# Altium PCB PA.PcbDoc (part 2 of 3)
Units mm, origin at the board's own origin, x right, y up, seen from the top; angles counter-clockwise.
Board outline 226 x 90 mm, 2 copper layers (Top Layer, Bottom Layer), stack 1.571 mm thick; 288 components, 121 nets, 837 pads, 1182 vias.
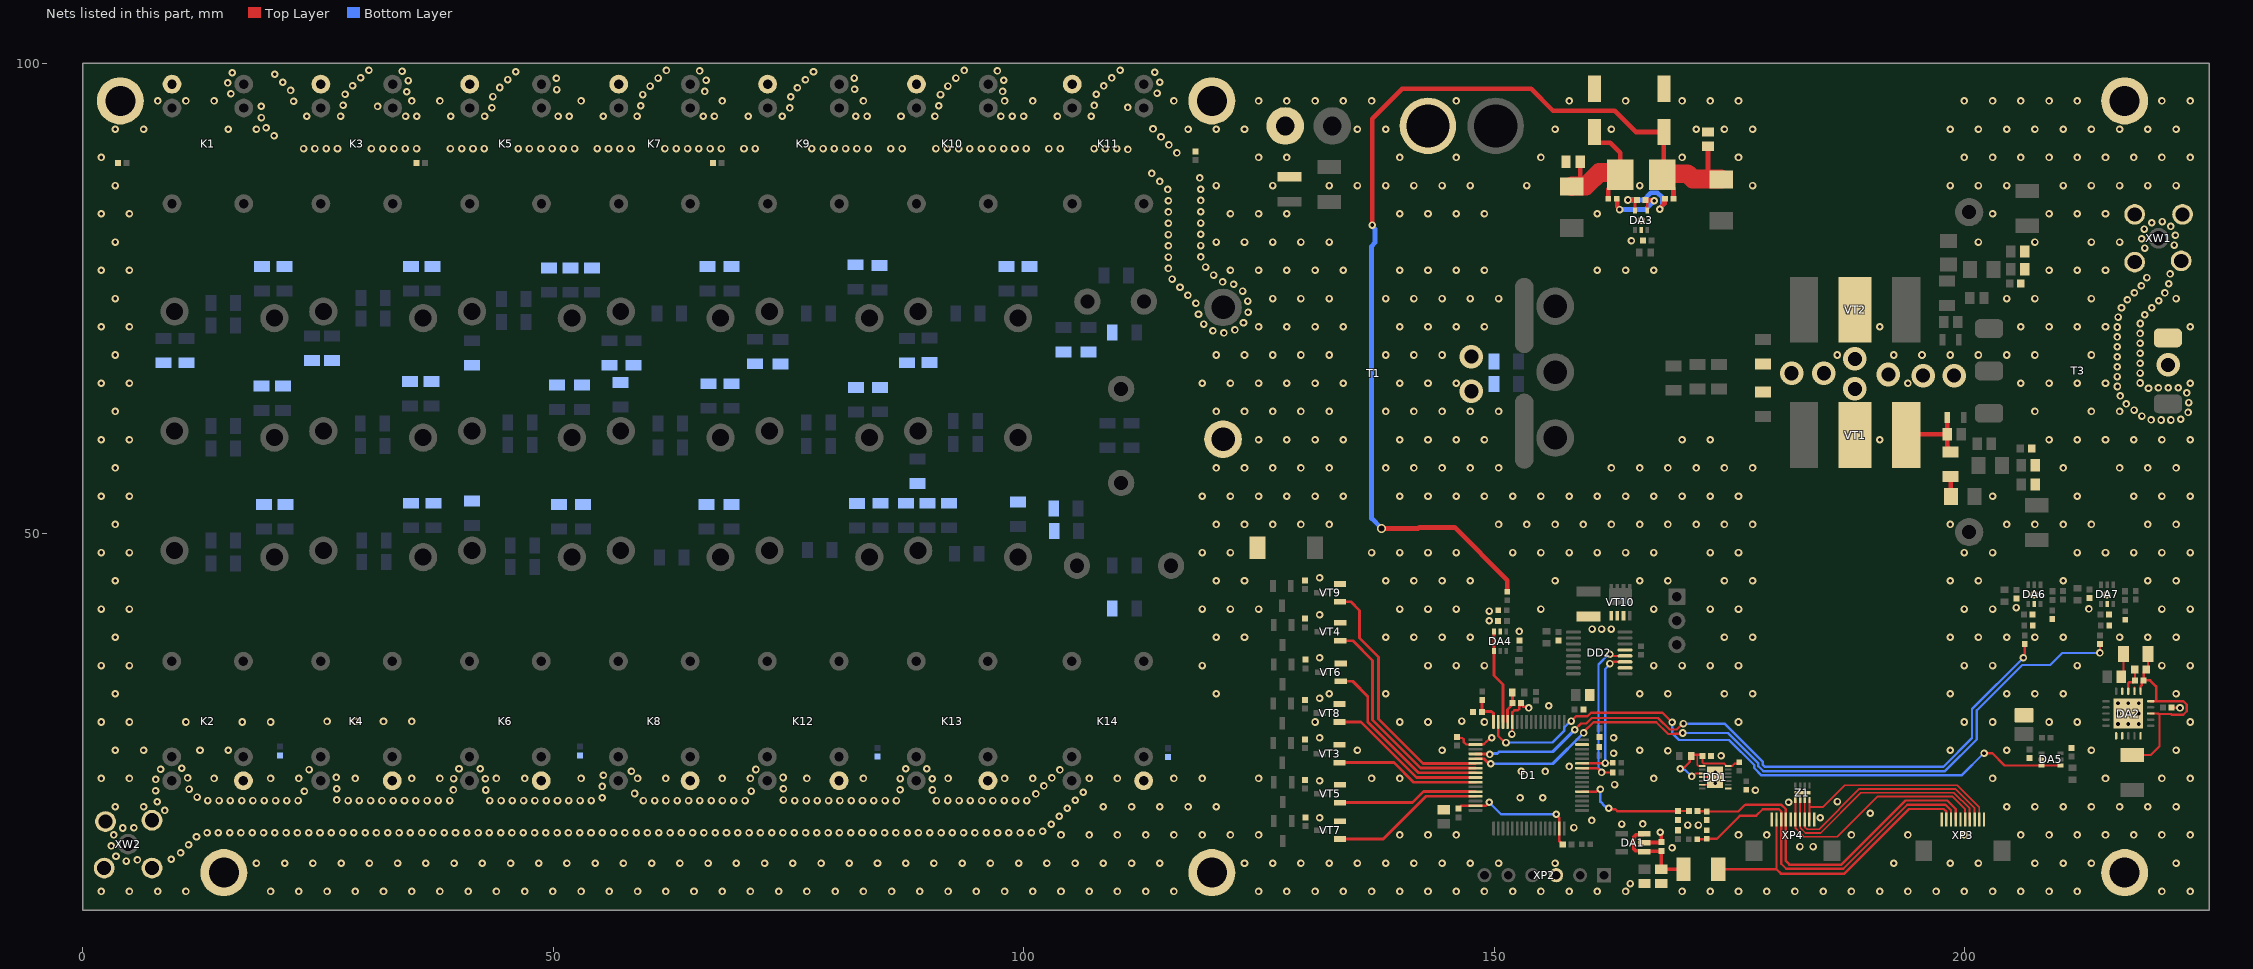
[diagram p2: the nets of this part, all layers, seen from the top]

## Part data
C1 C2 C3 C20: library part "Кер.ЧИП конд. 0805 22мкФ X5R 10% 16В", "Кер. ЧИП-конденсатор", Manufacturer=TDK, ManufacturerPartNumber=C2012X5R1C226KT, Power/Voltage=16В, Tolerance=±10%, TKE=X5R
C4 C12 C156: library part "Кер.ЧИП конд. 0402 1мкФ X5R 10%, 10В", "Кер. ЧИП-конденсатор", Power/Voltage=10В, Tolerance=±10%, PackageReference=0402, TKE=X5R
C6: library part "Конденсатор танталовый SMD D case 22мкФ ±20% 35B", "Тант. ЧИП-конденсатор", Power/Voltage=35В, Tolerance=±20%, LatestRevisionDate=29-May-2009, LatestRevisionNote="IPC-7351 Footprint Added.", PackageDescription="Chip Capacitor", PackageReference="тип D", Published=8-Jun-2000, Publisher="Altium Limited"
C7 C166: library part "Кер.ЧИП конд. 1210 10мкФ X5R 20% 50В", "Кер. ЧИП-конденсатор", Manufacturer=Murata, ManufacturerPartNumber=GRM32ER71H106, Power/Voltage=50В, Tolerance=±20%, TKE=X5R
C8 C13 C25 C148 C149 C150 C151 C152 C153 C154 C157 C158 C159 C160 C161 C162 C163 C164: library part "Кер.ЧИП конд. 0402 0.01мкФ X7R 10%, 50В", "Кер. ЧИП-конденсатор", Power/Voltage=50В, Tolerance=±20%, TKE=X7R
C9: library part "Кер.ЧИП конд. 1206 100мкФ X5R 20% 6.3В", "Кер. ЧИП-конденсатор", Manufacturer=Murata, ManufacturerPartNumber=GRM31CR60J107ME39L, Power/Voltage=6.3В, Tolerance=±20%, TKE=X5R
C10: library part "Кер.ЧИП конд. 0603 10мкФ X5R 20% 6.3В", "Кер. ЧИП-конденсатор", Manufacturer=Murata, ManufacturerPartNumber=GRM188R61A106KE69D, Power/Voltage=6.3В, Tolerance=±20%, TKE=X5R
C11 C14 C15 C16 C17 C18 C19 C26 C28 C46 C48 C141 C144 C165: library part "Кер.ЧИП конд. 0402 0.1мкФ X7R 10%, 16В", "Кер. ЧИП-конденсатор", Power/Voltage=16В, Tolerance=±10%, PackageReference=0402, TKE=X7R
C21 C22: library part "Конденсатор гибридный SMD 33мкФ ±20% 50В", "Гибридный ЧИП-конденсатор", Manufacturer=Panasonic, ManufacturerPartNumber=EEHZC1H330XP, Power/Voltage=50В, Tolerance=±20%, LatestRevisionDate=29-May-2009, LatestRevisionNote="IPC-7351 Footprint Added.", PackageDescription="ZC Series - Anti-Vibration", PackageReference="ZC Series", Published=8-Jun-2000, Publisher="Altium Limited"
C23 C24 C29 C34 C38 C39: library part "Кер.ЧИП конд. 0805 1000пФ X7R 10% 100В", "Кер. ЧИП-конденсатор", Manufacturer=WALSIN, ManufacturerPartNumber=0805B102K100, Power/Voltage=100В, Tolerance=±10%, TKE=X7R
C27 C41 C45 C51 C63 C69 C73: library part "Кер.ЧИП конд. 1206 1000пФ X7К 10% 2000В", "Кер. ЧИП-конденсатор", Manufacturer=Johanson, ManufacturerPartNumber=202R18W102KV4E, Power/Voltage=2000В, Tolerance=±10%, TKE=X7R
C30 C35 C56 C57 C59 C61 C62 C64 C71 C80 C86 C90 C92 C96 C101 C117 C129: library part "Кер.ЧИП конд. 1206 220пФ NP0 5% 2000В", "Кер. ЧИП-конденсатор", Manufacturer=Johanson, ManufacturerPartNumber=202R18W102KV4E, Power/Voltage=2000В, Tolerance=±10%, TKE=X7R
C31 C32 C33: library part "Кер.ЧИП конд. 1206 150пФ NP0 5% 2000В", "Кер. ЧИП-конденсатор", Manufacturer=Johanson, ManufacturerPartNumber=202R18W102KV4E, Power/Voltage=2000В, Tolerance=±10%, TKE=X7R
C36 C37 C40 C44: library part "Кер.ЧИП конд. 0805 0,01 мкФ X7R 10% 250В", "Кер. ЧИП-конденсатор", Manufacturer=Murate, ManufacturerPartNumber=GRM21BR72E103KW03, Power/Voltage=250В, Tolerance=±10%, TKE=X7R
C42: library part "Кер.ЧИП конд. 1206 2,2мкФ X7R 10% 100В", "Кер. ЧИП-конденсатор", Manufacturer=Murata, ManufacturerPartNumber=GRM31CR72A225KA73L, Power/Voltage=100В, Tolerance=±10%, TKE=X7R
C43 C142: library part "Кер.ЧИП конд. 0603 0.1мкФ X7R 10% 50В", "Кер. ЧИП-конденсатор", Manufacturer=Murata, ManufacturerPartNumber=GRM188R71H104KA93D, Power/Voltage=50В, Tolerance=±10%, TKE=X7R
C47: library part "Кер.ЧИП конд. 0402 100пФ NPO 5%, 50В", "Кер. ЧИП-конденсатор", Power/Voltage=50В, Tolerance=±5%, PackageReference=0402, TKE=NPO
C49 C143 C145 C146 C147: library part "Кер.ЧИП конд. 0402 1000пФ NP0 5%, 50В", "Кер. ЧИП-конденсатор", Power/Voltage=50В, Tolerance=±5%, PackageReference=0402, TKE=NPO
C50 C52 C58 C65 C66 C70 C74 C77 C78 C81 C85: library part "Кер.ЧИП конд. 1206 470пФ NP0 10% 2000В", "Кер. ЧИП-конденсатор", Manufacturer=WALSIN, ManufacturerPartNumber=1206B471K202, Power/Voltage=2000В, Tolerance=±10%, TKE=NP0
C53 C60: library part "Кер.ЧИП конд. 1206 2200пФ X7К 10% 1000В", "Кер. ЧИП-конденсатор", Manufacturer=WALSIN, ManufacturerPartNumber=1206B222K102, Power/Voltage=1000В, Tolerance=±10%, TKE=X7R
C54 C75 C82 C89 C93 C94 C97 C99 C102 C103 C104 C105 C107 C108 C115 C116 C130 C137 C140: library part "Кер.ЧИП конд. 1206 100пФ NP0 5% 2000В", "Кер. ЧИП-конденсатор", Manufacturer=WALSIN, ManufacturerPartNumber=1206N101J202, Power/Voltage=2000В, Tolerance=±5%, TKE=NP0
C55 C68 C106 C109: library part "Кер.ЧИП конд. 1206 22пФ NP0 5% 2000В", "Кер. ЧИП-конденсатор", Manufacturer=WALSIN, ManufacturerPartNumber=1206N220J202, Power/Voltage=2000В, Tolerance=±5%, TKE=NP0
C67 C95 C98 C118 C120 C124 C127 C131 C133 C135 C136: library part "Кер.ЧИП конд. 1206 27пФ NP0 10% 2000В", "Кер. ЧИП-конденсатор", Manufacturer=WALSIN, ManufacturerPartNumber=1206N270J202, Power/Voltage=2000В, Tolerance=±10%, TKE=NP0
C72 C79 C88 C91 C111 C112 C114 C119 C125 C126: library part "Кер.ЧИП конд. 1206 10пФ NP0 5% 2000В", "Кер. ЧИП-конденсатор", Manufacturer=WALSIN, ManufacturerPartNumber=1206N100J202, Power/Voltage=2000В, Tolerance=±5%, TKE=NP0
C76 C83 C84 C87 C100 C110 C113 C121 C122 C123 C128 C132 C134 C138 C139: library part "Кер.ЧИП конд. 1206 47пФ NP0 5% 2000В", "Кер. ЧИП-конденсатор", Manufacturer=WALSIN, ManufacturerPartNumber=1206N470J202, Power/Voltage=2000В, Tolerance=±5%, TKE=NP0
C155: library part "Кер.ЧИП конд. 0805 47мкФ X5R 20% 10В", "Кер. ЧИП-конденсатор", Manufacturer=Murata, ManufacturerPartNumber=GRM21BR61A476ME15L, Power/Voltage=10В, Tolerance=±20%, TKE=X5R
D1: library part "Микросхема STM32F103RCT6", "Ultra-low-power 32-bit MCU ARM®-based Cortex®-M3, 128KB Flash, 16KB SRAM, 4KB EEPROM, LCD, USB, ADC, DAC", Manufacturer=STMicroelectronics, Code_JEDEC=MS-026, ComponentLink1Description="Manufacturer Link", ComponentLink3Description="Packaging Specification", Published=29-Jan-2009
DA1: library part "Микросхема LP5907MFX-3.3", "250-mA Ultra-Low-Noise, Low-IQ LDO", Manufacturer=TI, ComponentLink1Description=datasheet, ComponentLink1URL=http://www.ti.com/lit/ds/symlink/lp5907.pdf
DA2: library part "Микросхема TPS7A4700RGW", "36-V, 1-A, 4-µVRMS, RF LDO Voltage Regulator", Manufacturer=TI, ComponentLink1Description=datasheet, ComponentLink1URL=http://www.ti.com/lit/ds/symlink/tps7a47.pdf
DA3: library part "Микросхема INA280A3IDCKR", "2.7-V to 120-V, 1.1-MHz, High Precision Current Sense Amplifier in Small / (SC-70) Package", Manufacturer=TI, ComponentLink1Description=datasheet, ComponentLink1URL=https://datasheets.maximintegrated.com/en/ds/MAX4230-MAX4234.pdf
DA4 DA5 DA6 DA7: library part "Микросхема MAX4231AXT-T", "High-Output-Drive, 10MHz, 10V/μs,  Rail-to-Rail I/O Op Amps with Shutdown in SC70", Manufacturer=MAXIM, ComponentLink1Description=datasheet, ComponentLink1URL=https://datasheets.maximintegrated.com/en/ds/MAX4230-MAX4234.pdf
DD1: library part "Микросхема MAX13433EETD+", "RS-422 Transceivers with Low-Voltage Logic Interface 16M", Manufacturer=Maxim, ComponentLink1Description=datasheet, ComponentLink1URL=https://datasheets.maximintegrated.com/en/ds/MAX13430E-MAX13433E.pdf
DD2: library part "Микросхема MAX6650EUB", "Fan-Speed Regulators and Monitors with SMBus/I2C-Compatible Interface", Manufacturer=Maxim, ComponentLink1Description=datasheet, ComponentLink1URL=https://www.analog.com/media/en/technical-documentation/data-sheets/MAX6650-MAX6651.pdf
F1: library part "Терморезистор NTCALUG01", "ЧИП-резистор"
K1 K2 K3 K4 K5 K6 K7 K8 K9 K10 K11 K12 K13 K14: library part "Реле HJR4102-L-12VDC-S-Z", "Реле 1пер. 12VDC, 1A/240VAC", ComponentLink1Description=datasheet, ComponentLink1URL=https://www.ti.com/lit/ds/symlink/tlvh431a.pdf?ts=1606914625003&ref_url=https%253A%252F%252Fwww.google.com%252F
L1 L2 L8 L34 L35: library part "ЧИП индуктивность CSAB0420-2R2M", "Molding Power Choke", Manufacturer=Vishay, ManufacturerPartNumber=IHLP1616ABER1R0M11
L3 L4 L7 L9 L10 L32 L33 L36: library part "ЧИП дроссель 0603 BLM18PG121SN1D", "SMD EMI Suppression Filter EMIFIL", Manufacturer=Murata, ManufacturerPartNumber=BLM18PG121SN1D
L5 L6: library part "ЧИП индуктивность CDCSAB0530-R22M", "0.22мкГн, 19А, 5.2х5.0х3мм, Катушка индуктивности SMD", Manufacturer=Vishay, ManufacturerPartNumber=CDCSAB0530-R22M
L11: library part "Индуктивность T68-2 4.79 мкГн", "29 витков"
L12 L13: library part "Индуктивность T68-2 3.85 мкГн", "26 витков"
L14: library part "Индуктивность T68-2 2.51 мкГн", "21 виток"
L15 L16: library part "Индуктивность T68-2 2.28 мкГн"
L17: library part "Индуктивность T68-2 1.48 мкГн", "16 витков"
L18 L19: library part "Индуктивность T68-2 1.28 мкГн", "16 витков"
L20: library part "Индуктивность T68-6 676 нГн", "12 витков"
L21 L22 L24 L27: library part "Индуктивность T68-6 470 нГн", "10 витков"
L23: library part "Индуктивность 177 нГн", "4 витка, диаметр 11мм, длина 6мм"
L25 L30: library part "Индуктивность T68-6 381 нГн", "9 витков"
L26 L29: library part "Индуктивность 130 нГн", "4 витка, диаметр 11мм, длина 10мм"
L28 L31: library part "Индуктивность T68-6 300 нГн", "8 витков"
R4 R8 R10 R14 R18 R24 R32: library part "Чип резистор 0402 100 Ом, 5%", "ЧИП-резистор", Tolerance=±5%, PackageReference=0402, TKE="100 ppm/°С"
R5 R11 R13 R25 R28 R29 R30 R31 R33 R34 R35 R36: library part "Чип резистор 0402 10 кОм, 5%", "ЧИП-резистор", Tolerance=±5%, PackageReference=0402, TKE="100 ppm/°С"
R6 R7: library part "Чип резистор 0402 4,7 кОм, 5%", "ЧИП-резистор", Tolerance=±5%, PackageReference=0402, TKE="100 ppm/°С"
R9 R12: library part "Чип резистор 0402 180 кОм, 5%", "ЧИП-резистор", Tolerance=±5%, PackageReference=0402, TKE="100 ppm/°С"
R15: library part "Чип резистор 2512 0.003Ом, 5%", "ЧИП-резистор PA2512FKF070R003E", Tolerance=±5%
R16 R17: library part "Чип резистор 0402 10 Ом, 5%", "ЧИП-резистор", Tolerance=±5%, PackageReference=0402, TKE="100 ppm/°С"
R19 R22 R23 R26: library part "Чип резистор 1206 33 Ом, 5%", "ЧИП-резистор", Manufacturer=ROHM, Tolerance=±5%, PackageReference=1206, TKE="300 ppm/°С"
R20 R21: library part "Чип резистор 0805 18 Ом, 5%", "ЧИП-резистор", Tolerance=±5%, PackageReference=0805, TKE="100 ppm/°С"
R27: library part "Чип резистор 0402 91 кОм, 5%", "ЧИП-резистор", Tolerance=±5%, PackageReference=0402, TKE="100 ppm/°С"
T1: library part "Трансформатор PA_OUT"
T2: library part "Трансформатор PA_OUT_VOLT"
T3: library part Transformer_KV_PA, "Трансформатор на бинокле BN-43-302 (2843000302)mu850 / Первичная обмотка - 2 витка проводом МГТФ 0,12 / Вторичная обмотка - 2 витка проводом МГТФ 0,12", Manufacturer=НЕЛС, Manufacturer Part Number="Трансформатор PUM_IN АНЕЛ.671143.002", Package="BN-43-302 (2843000302) 13.3x10.3 mm", SubType="Трансформатор бинокле", TYPE=Трансформатор
VD1 VD2 VD3 VD4 VD5 VD6 VD7: library part "ЧИП диод BAS16", "High-speed switching diodes", Manufacturer=Nexperia, Power/Voltage=100В, ComponentLink1Description=datasheet, ComponentLink1URL=https://assets.nexperia.com/documents/data-sheet/BAS16_SER.pdf, ManufacturerPartNumber=BAS16
VT1: library part "Транзистор MRF300AN", "RF Power LDMOS Transistors", ComponentLink1Description=datasheet, ComponentLink1URL=https://www.nxp.com/docs/en/data-sheet/MRF300AN.pdf
VT2: library part "Транзистор MRF300BN", "RF Power LDMOS Transistors", ComponentLink1Description=datasheet, ComponentLink1URL=https://www.nxp.com/docs/en/data-sheet/MRF300AN.pdf
VT3 VT4 VT5 VT6 VT7 VT8 VT9: library part "ЧИП транзистор PDTC114ET", "NPN resistor-equipped transistors;  R1 = 10 k, R2 = 10", ComponentLink1Description=datasheet, ComponentLink1URL=https://assets.nexperia.com/documents/data-sheet/PDTC114E_SER.pdf
VT10: library part "ЧИП транзистор SiSS10DN", "N-Channel 40 V (D-S) MOSFET", ComponentLink1Description=datasheet, ComponentLink1URL=https://www.vishay.com/docs/65439/siss10dn.pdf
XP1: library part "Соединитель XT60-F", "AMASS XT60-F"
XP2: library part "Соединитель PLS-6", "Вилка штыревая 2.54мм 1x6 прямая тип1", LatestRevisionDate=17-Jul-2002, LatestRevisionNote="Re-released for DXP Platform.", Publisher="Altium Limited"
XP3 XP4: library part "Соединитель FH12-10S-0.5SVA", "0.5mm  Pitch FPC/FFC Connector FH12 Series", Manufacturer=Hirose
XP5: library part "Соединитель XT30UPB-M", "AMASS XT30UPB-M  5 mm"
XP6: library part "Соединитель 22232031", "Molex 2,54 мм pitch-3", Manufacturer=Connfly
XW1 XW2: library part "Соединитель коаксиальный SMA-JR", "SMA-JR Разъем SMA гнездо на плату, прямой угол", ComponentLink1Description=datasheet, ComponentLink1URL=http://www.brownbear.ru/goods/2243.html
Z1: library part "Фильтр EMI EClamp2394P", "ESD/EMI Protection  for Color LCD Interfaces", Manufacturer=SEMTECH, PackageReference=SLP2116P8

## Free pads (board coordinates)
  round 5 hole 3.2: 1(4,96) 1(15,14) 1(120,14) 1(120,96) 1(217,14) 1(217,96)

## Via types
v1: diameter 0.8, hole 0.4, Top Layer to Bottom Layer, tented both sides, 1143 vias
v2: diameter 1, hole 0.6, Top Layer to Bottom Layer, tented both sides, 12 vias
v3: diameter 0.8, hole 0.4, Top Layer to Bottom Layer, 11 vias
v4: diameter 2.5, hole 1.5, Top Layer to Bottom Layer, tented both sides, 10 vias
v5: diameter 2.5, hole 1.5, Top Layer to Bottom Layer, 6 vias

## Nets (pads, with @x,y where several pads share a name; then routed paths per layer and width w, separated by ;. In a path a pad name is that pad's centre, name@x,y a point inside that pad or via, vN(x,y) a via of type N, cw(c..) or ccw(c..) an arc to the next point about the centre after c; other vN are vias at no path point)
ADC_CURRENT: C26.2 D1.16 R18.1 | length 3.5
  Top Layer w0.3: R18.1@148.731,32.341 148.707,32.317 148.707,31.106 C26.2@148.683,31.082 148.716,31.115 149.733,31.115 149.924,30.924 149.924,30.031 D1.16@149.934,30.021
ADC_TEMP: D1.15 DA5.3 DA5.4 | length 68.2
  Top Layer w0.25: D1.15@150.434,30.021 150.434,28.509 151.13,27.813 v1(151.257,27.813) ; v1(158.184,30.099) 158.692,30.607 159.904,30.607 160.285,30.988 167.894,30.988 v1(168.91,29.972) ; v1(202.057,26.67) 202.946,26.67 204.246,25.37 DA5.3@208.149,25.37 DA5.4@210.199,25.37
  Bottom Layer w0.25: v1(151.257,27.813) 156.189,27.813 157.465,29.09 157.465,29.443 158.121,30.099 v1(158.184,30.099) ; v1(168.91,29.972) 168.91,28.829 169.657,28.082 174.966,28.082 177.632,25.416 177.632,25.105 178.408,24.329 199.679,24.329 202.02,26.67 v1(202.057,26.67)
ADC_VOLT: D1.14 DA4.3 DA4.4 | length 10
  Top Layer w0.3: DA4.4@149.986,37.55 DA4.3@149.986,39.6 ; DA4.4@149.986,37.55 149.986,34.934 150.934,33.986 D1.14@150.934,30.021
BAND0_EN: D1.29 VT7.1 | length 16.3
  Top Layer w0.3: VT7.1@133.618,17.559 138.209,17.559 142.751,22.101 D1.29@148.014,22.101
BAND1_EN: D1.28 VT5.1 | length 14.9
  Top Layer w0.3: VT5.1@133.618,21.43 141.318,21.43 142.489,22.601 D1.28@148.014,22.601
BAND2_EN: D1.26 VT3.1 | length 15.3
  Top Layer w0.3: VT3.1@133.559,25.687 139.341,25.687 141.427,23.601 D1.26@148.014,23.601
BAND3_EN: D1.25 VT8.1 | length 16.9
  Top Layer w0.3: VT8.1@133.559,30.005 135.84,30.005 141.744,24.101 D1.25@148.014,24.101
BAND4_EN: D1.24 VT6.1 | length 20
  Top Layer w0.3: VT6.1@133.686,34.323 134.968,34.323 136.564,32.727 136.564,29.988 141.951,24.601 D1.24@148.014,24.601
BAND5_EN: D1.23 VT4.1 | length 23.7
  Top Layer w0.3: VT4.1@133.652,38.641 134.968,38.641 137.064,36.545 137.064,30.195 142.158,25.101 D1.23@148.014,25.101
BAND6_EN: D1.22 VT9.1 | length 27.1
  Top Layer w0.3: VT9.1@133.618,42.771 134.775,42.771 135.688,41.858 135.688,38.937 137.717,36.908 137.717,30.304 142.42,25.601 D1.22@148.014,25.601
CON_RS422A: XP3.9 XP4.9 Z1.4 | length 23.3
  Top Layer w0.2: XP4.9@183.501,19.652 183.508,19.659 183.508,20.955 ; Z1.4@183.515,21.711 183.508,21.704 183.508,20.955 ; XP3.9@201.555,19.652 201.555,20.916 199.188,23.283 187.235,23.283 184.906,20.955 183.508,20.955
CON_RS422B: XP3.8 XP4.8 Z1.3 | length 24.8
  Top Layer w0.2: Z1.3@183.015,21.711 183.008,21.704 183.008,19.659 XP4.8@183.001,19.652 183.026,19.627 183.026,18.828 183.252,18.602 184.533,18.602 188.815,22.883 199.022,22.883 201.055,20.851 XP3.8@201.055,19.652
CON_RS422Y: XP3.6 XP4.6 Z1.1 | length 24.8
  Top Layer w0.2: Z1.1@182.015,21.711 182.008,21.704 182.008,19.659 XP4.6@182.001,19.652 182.026,19.627 182.026,18.696 182.92,17.802 186.484,17.802 190.765,22.083 198.691,22.083 200.055,20.719 XP3.6@200.055,19.652
CON_RS422Z: XP3.7 XP4.7 Z1.2 | length 24.8
  Top Layer w0.2: Z1.2@182.515,21.711 182.508,21.704 182.508,19.659 XP4.7@182.501,19.652 182.526,19.627 182.526,18.762 183.086,18.202 184.699,18.202 188.98,22.483 198.857,22.483 200.53,20.81 200.53,19.677 XP3.7@200.555,19.652
CON_TX_FAIL: R4.1 R5.1 XP3.3 XP4.3 | length 38.2
  Top Layer w0.25: R4.1@171.577,17.526 171.606,17.555 172.564,17.555 R5.1@172.593,17.584 173.667,17.584 176.116,20.033 177.841,20.033 178.535,20.727 180.261,20.727 180.501,20.487 XP4.3@180.501,19.652 180.501,14.941 181.045,14.397 187.092,14.397 193.903,21.208 197.97,21.208 198.555,20.623 XP3.3@198.555,19.652
CON_TXON: R10.1 R11.1 XP3.4 XP4.4 | length 37.9
  Top Layer w0.25: R10.1@171.602,20.541 171.631,20.512 172.578,20.512 R11.1@172.607,20.483 175.931,20.483 176.631,21.183 176.735,21.183 176.747,21.194 180.537,21.194 181.001,20.73 XP4.4@181.001,19.652 181.001,15.221 181.375,14.847 186.906,14.847 193.717,21.658 198.156,21.658 199.055,20.759 XP3.4@199.055,19.652
DAC_BIAS1: D1.20 R24.1 | length 70.8
  Top Layer w0.25: v1(158.563,29.174) 159.234,29.845 159.779,29.845 160.364,30.43 167.415,30.43 168.65,29.195 169.394,29.195 170.026,29.827 v1(170.112,29.827) ; v1(206.248,36.83) 206.389,36.971 R24.1@206.389,38.285
  Top Layer w0.3: D1.20@148.014,26.601 149.483,26.601 v1(149.531,26.553)
  Bottom Layer w0.25: v1(170.112,29.827) 174.494,29.827 178.532,25.789 178.532,25.478 178.781,25.229 197.721,25.229 200.787,28.295 200.787,31.37 206.247,36.83 v1(206.248,36.83)
  Bottom Layer w0.3: v1(149.531,26.553) 149.627,26.649 150.347,26.649 150.531,26.833 156.222,26.833 v1(158.563,29.174)
DAC_BIAS2: D1.21 R32.1 | length 78.9
  Top Layer w0.25: v1(159.506,28.841) 159.506,28.936 160.55,29.98 167.229,29.98 168.493,28.716 169.142,28.716 169.171,28.745 169.969,28.745 v1(170.053,28.829) ; v1(214.376,37.338) 214.383,37.345 214.383,38.278 R32.1@214.39,38.285
  Top Layer w0.3: D1.21@148.014,26.101 148.599,26.101 148.609,26.091 148.932,26.091 149.368,25.655 149.547,25.655 v1(149.642,25.559)
  Bottom Layer w0.25: v1(170.053,28.829) 174.856,28.829 178.082,25.603 178.082,25.292 178.595,24.779 197.908,24.779 201.295,28.166 201.295,31.242 206.11,36.057 209.095,36.057 210.376,37.338 v1(214.376,37.338)
  Bottom Layer w0.3: v1(149.642,25.559) 156.224,25.559 v1(159.506,28.841)
GND: C1.1 C2.1 C3.1 C4.1 C6.1 C7.1 C8.1 C9.1 C10.1 C11.1 C12.1 C13.1 C14.1 C15.1 C16.1 C17.1 C18.1 C19.1 C20.1 C21.2 C22.2 C23.1 C24.1 C26.1 C28.1 C30.1 C35.1 C37.1 C38.1 C39.1 C40.1 C41.1 C42.1 C43.1 C46.2 C47.2 C48.2 C49.2 C50.2 C51.2 C52.2 C53.2 C56.2 C57.2 C59.2 C60.2 C63.2 C64.2 C65.2 C66.2 C69.2 C70.2 C73.2 C74.2 C77.2 C78.2 C80.2 C81.2 C85.2 C86.2 C89.2 C90.2 C92.2 C93.2 C94.2 C96.2 C97.2 C100.2 C101.2 C103.2 C104.2 C105.2 C106.2 C107.2 C108.2 C109.2 C110.2 C113.2 C115.2 C116.2 C117.2 C118.2 C121.2 C122.2 C123.2 C128.2 C129.2 C130.2 C132.2 C133.2 C134.2 C137.2 C138.2 C139.2 C140.2 C141.1 C142.1 C143.1 C144.1 C145.1 C148.1 C149.1 C150.1 C151.1 C152.1 C153.1 C154.1 C155.1 C156.1 C157.1 C158.1 C159.1 C160.1 C161.1 C162.1 C163.1 C164.1 C165.1 C166.1 D1.12 D1.18 D1.31 D1.47 D1.63 DA1.2 DA2.6 DA2.7 DA2.10 DA2.17 DA2.18 DA2.19 DA2.21 DA3.2 DA4.2 DA5.2 DA6.2 DA7.2 DD1.4 DD1.6 DD1.8 DD1.15 DD2.2 DD2.5 F1.2 K1.7 K2.7 K3.7 K4.7 K5.7 K6.7 K7.7 K8.7 K9.7 K10.7 K11.7 K12.7 K13.7 K14.7 pad.1 R5.2 R11.2 R12.1 R14.2 R25.2 R28.1 R30.1 R33.2 R34.1 T1.3 T3.4 VT1.2 VT2.2 VT3.2 VT4.2 VT5.2 VT6.2 VT7.2 VT8.2 VT9.2 VT10.S XP1.2 XP2.3 XP3.1 XP3.5 XP3.10 XP4.1 XP4.5 XP4.10 XP5.2 XW1.2 XW2.2 Z1.9 | length 36.6
  Top Layer w0.2: DD1.6@172.094,23.334 DD1.15@173.324,23.334 ; DD1.4@172.094,24.134 DD1.15@173.489,24.134
  Top Layer w0.25: C16.1@146.191,20.795 146.497,21.101 D1.31@148.014,21.101 149.117,21.101 v1(149.479,21.463) ; C17.1@146.191,28.494 146.386,28.299 146.615,28.299 146.761,28.153 146.761,27.864 147.024,27.601 D1.18@148.014,27.601 148.029,27.616 148.869,27.616 149.161,27.908 149.171,27.908 149.584,28.321 v1(149.733,28.321) ; v1(151.892,28.717) 151.919,28.744 151.919,30.006 D1.12@151.934,30.021 151.934,31.03 152.146,31.242 152.533,31.242 152.679,31.388 152.679,31.649 152.874,31.844 153.117,31.601 153.579,31.601 v1(153.684,31.496) ; v1(156.591,20.193) 156.591,20.135 156.934,19.792 156.934,17.339 C15.1@157.288,16.985 ; DD1.15@173.324,23.334 v3(173.489,23.499) ; C155.1@216.744,34.704 C155.1@216.65,34.798 216.886,35.034 C9.1@216.886,37.211 ; DA2.18@217.394,33.274 217.394,34.133 217.483,34.222 217.912,34.222 C11.1@218.107,34.417 218.107,35.547 C10.1@218.094,35.56 ; DA2.17@218.044,33.274 DA2.17@218.044,33.659 ; C156.1@221.821,31.496 221.827,31.502 222.879,31.502 v1(222.885,31.496)
  Top Layer w0.4: DA1.2@165.952,17.159 165.984,17.191 167.735,17.191 C4.1@167.767,17.224 167.767,18.161 v1(167.64,18.288)
  Bottom Layer w0.25: v1(149.479,21.463) 149.479,21.437 150.723,20.193 v1(156.591,20.193)
  other v1: 1.967,12 4.967,12 7.967,12 10.967,12 19.967,12 22.967,12 25.967,12 28.967,12 31.967,12 34.967,12 37.967,12 40.967,12 43.967,12 46.967,12 49.967,12 52.967,12 55.967,12 58.967,12 61.967,12 64.967,12 67.967,12 70.967,12 73.967,12 76.967,12 79.967,12 82.967,12 85.967,12 88.967,12 91.967,12 94.967,12 97.967,12 100.967,12 103.967,12 106.967,12 109.967,12 112.967,12 115.967,12 124.967,12 127.967,12 130.967,12 133.967,12 136.967,12 139.967,12 142.967,12 145.967,12 148.967,12 151.967,12 154.967,12 157.967,12 160.967,12 163.967,12 169.967,12 172.967,12 175.967,12 178.967,12 181.967,12 184.967,12 187.967,12 190.967,12 193.967,12 196.967,12 199.967,12 202.967,12 205.967,12 208.967,12 211.967,12 220.967,12 223.967,12 164.465,12.827 18.467,15 21.467,15 24.467,15 27.467,15 30.467,15 33.467,15 36.467,15 39.467,15 42.467,15 45.467,15 48.467,15 51.467,15 54.467,15 57.467,15 60.467,15 63.467,15 66.467,15 69.467,15 72.467,15 75.467,15 78.467,15 81.467,15 84.467,15 87.467,15 90.467,15 93.467,15 96.467,15 99.467,15 102.467,15 105.467,15 108.467,15 111.467,15 114.467,15 123.467,15 126.467,15 129.467,15 132.467,15 135.467,15 138.467,15 141.467,15 144.467,15 147.467,15 150.467,15 156.467,15 192.467,15 198.467,15 201.467,15 207.467,15 210.467,15 213.467,15 222.467,15 4.623,15.223 5.818,15.339 9.415,15.416 3.542,15.743 10.399,16.103 168.91,16.637 182.499,16.764 183.896,16.764 3.029,16.828 11.248,16.951 12.097,17.8 3.302,17.997 103.967,18 106.967,18 109.967,18 112.967,18 115.967,18 118.967,18 121.967,18 124.967,18 139.967,18 142.967,18 145.967,18 175.967,18 178.967,18 187.967,18 193.967,18 199.967,18 205.967,18 208.967,18 211.967,18 214.967,18 217.967,18 220.967,18 223.967,18 13.219,18.224 14.419,18.224 15.619,18.224 16.819,18.224 18.019,18.224 19.219,18.224 20.419,18.224 21.619,18.224 22.819,18.224 24.019,18.224 25.219,18.224 26.419,18.224 27.619,18.224 28.819,18.224 30.019,18.224 31.219,18.224 32.419,18.224 33.619,18.224 34.819,18.224 36.019,18.224 37.219,18.224 38.419,18.224 39.619,18.224 40.819,18.224 42.019,18.224 43.219,18.224 44.419,18.224 45.619,18.224 46.819,18.224 48.019,18.224 49.219,18.224 50.419,18.224 51.619,18.224 52.819,18.224 54.019,18.224 55.219,18.224 56.419,18.224 57.619,18.224 58.819,18.224 60.019,18.224 61.219,18.224 62.419,18.224 63.619,18.224 64.819,18.224 66.019,18.224 67.219,18.224 68.419,18.224 69.619,18.224 70.819,18.224 72.019,18.224 73.219,18.224 74.419,18.224 75.619,18.224 76.819,18.224 78.019,18.224 79.219,18.224 80.419,18.224 81.619,18.224 82.819,18.224 84.019,18.224 85.219,18.224 86.419,18.224 87.619,18.224 88.819,18.224 90.019,18.224 91.219,18.224 92.419,18.224 93.619,18.224 94.819,18.224 96.019,18.224 97.219,18.224 98.419,18.224 99.619,18.224 100.819,18.224 102.009,18.38 4.249,18.734 5.448,18.769 158.474,18.774 170.561,19.05 171.704,19.05 102.939,19.138 163.554,19.155 165.791,19.17 160.379,19.536 131.445,19.812 184.658,19.812 103.787,19.987 189.97,20.298 8.72,20.605 104.636,20.835 3.467,21 6.467,21 108.467,21 111.467,21 114.467,21 117.467,21 120.467,21 204.467,21 207.467,21 210.467,21 213.467,21 216.467,21 219.467,21 222.467,21 181.29,21.466 7.936,21.514 186.484,21.542 13.294,21.654 14.494,21.654 15.694,21.654 16.894,21.654 18.094,21.654 19.294,21.654 20.494,21.654 21.694,21.654 22.894,21.654 28.199,21.654 29.399,21.654 30.599,21.654 31.799,21.654 32.999,21.654 34.199,21.654 35.399,21.654 36.599,21.654 37.799,21.654 38.999,21.654 43.259,21.654 44.459,21.654 45.659,21.654 46.859,21.654 48.059,21.654 49.259,21.654 50.459,21.654 51.659,21.654 52.859,21.654 54.059,21.654 59.588,21.654 60.788,21.654 61.988,21.654 63.188,21.654 64.388,21.654 65.588,21.654 66.788,21.654 67.988,21.654 69.188,21.654 70.388,21.654 75.673,21.654 76.873,21.654 78.073,21.654 79.273,21.654 80.473,21.654 81.673,21.654 82.873,21.654 84.073,21.654 85.273,21.654 86.473,21.654 90.732,21.654 91.932,21.654 93.132,21.654 94.332,21.654 95.532,21.654 96.732,21.654 97.932,21.654 99.132,21.654 100.332,21.654 74.473,21.701 105.484,21.684 27.001,21.715 55.22,21.955 152.759,21.949 155.172,21.949 12.152,22.022 101.306,22.355 58.649,22.401 106.333,22.532 23.572,22.644 71.044,22.659 7.747,22.699 177.76,22.756 39.396,22.786 42.825,22.773 86.868,22.787 90.298,22.772 11.304,22.871 27.001,22.915 74.473,22.901 55.22,23.155 102.154,23.203 162.792,23.346 131.445,23.749 7.761,23.899 39.421,23.986 42.802,23.972 86.893,23.986 90.274,23.972 1.967,24 4.967,24 13.967,24 19.967,24 22.967,24 28.967,24 34.967,24 37.967,24 43.967,24 46.967,24 52.967,24 58.967,24 61.967,24 67.967,24 70.967,24 76.967,24 82.967,24 91.967,24 97.967,24 100.967,24 106.967,24 109.967,24 115.967,24 118.967,24 124.967,24 136.967,24 139.967,24 166.967,24 202.967,24 214.967,24 220.967,24 223.967,24 11.142,24.06 103.003,24.052 26.957,24.114 74.433,24.1 55.337,24.35 152.886,24.743 155.426,24.743 58.314,24.753 103.851,24.9 24.063,24.942 71.546,24.952 8.278,24.982 39.992,25.041 42.24,25.033 87.465,25.041 89.713,25.033 10.521,25.087 157.988,25.273 174.117,26.416 162.687,26.67 168.463,26.942 3.467,27 6.467,27 12.467,27 15.467,27 135.467,27 144.467,27 165.467,27 198.467,27 204.467,27 213.467,27 222.467,27 131.445,28.321 162.687,28.321 1.967,30 4.967,30 10.967,30 16.967,30 19.967,30 130.967,30 139.967,30 142.967,30 148.967,30 175.967,30 199.967,30 202.967,30 208.967,30 211.967,30 223.967,30 25.967,30.06 28.967,30.06 31.967,30.06 34.967,30.06 146.558,30.099 155.807,31.728 131.445,32.512 3.467,33 120.467,33 132.467,33 138.467,33 165.467,33 168.467,33 174.467,33 177.467,33 198.467,33 204.467,33 207.467,33 210.467,33 222.467,33 1.967,36 4.967,36 118.967,36 142.967,36 145.967,36 148.967,36 166.967,36 169.967,36 172.967,36 175.967,36 199.967,36 202.967,36 211.967,36 220.967,36 223.967,36 131.445,36.83 3.467,39 120.467,39 123.467,39 138.467,39 141.467,39 144.467,39 147.467,39 174.467,39 177.467,39 198.467,39 201.467,39 204.467,39 207.467,39 210.467,39 216.467,39 219.467,39 222.467,39 152.654,39.624 160.401,39.878 161.417,39.878 162.433,39.878 149.479,40.767 131.445,41.402 149.479,41.783 1.967,42 4.967,42 118.967,42 121.967,42 124.967,42 139.967,42 142.967,42 145.967,42 154.967,42 166.967,42 172.967,42 175.967,42 199.967,42 202.967,42 213.211,42.015 220.967,42 223.967,42 205.486,42.164 207.369,43.539 215.116,43.539 3.467,45 120.467,45 123.467,45 138.467,45 141.467,45 144.467,45 147.467,45 156.467,45 165.467,45 168.467,45 174.467,45 177.467,45 198.467,45 201.467,45 210.467,45 219.467,45 222.467,45 131.445,45.339 1.967,48 4.967,48 118.967,48 121.967,48 136.967,48 139.967,48 142.967,48 145.967,48 151.967,48 154.967,48 157.967,48 160.967,48 163.967,48 166.967,48 172.967,48 175.967,48 199.967,48 202.967,48 211.967,48 214.967,48 217.967,48 220.967,48 223.967,48 3.467,51 120.467,51 123.467,51 126.467,51 129.467,51 132.467,51 150.467,51 153.467,51 156.467,51 159.467,51 162.467,51 165.467,51 168.467,51 171.467,51 174.467,51 177.467,51 198.467,51 204.467,51 207.467,51 210.467,51 213.467,51 219.467,51 222.467,51 1.967,54 4.967,54 118.967,54 121.967,54 124.967,54 127.967,54 130.967,54 133.967,54 139.967,54 142.967,54 145.967,54 148.967,54 151.967,54 154.967,54 157.967,54 160.967,54 163.967,54 166.967,54 169.967,54 172.967,54 175.967,54 202.967,54 211.967,54 217.967,54 220.967,54 223.967,54 3.467,57 120.467,57 123.467,57 126.467,57 129.467,57 132.467,57 138.467,57 141.467,57 144.467,57 147.467,57 150.467,57 162.467,57 165.467,57 168.467,57 171.467,57 174.467,57 177.467,57 210.467,57 216.467,57 219.467,57 222.467,57 1.967,60 4.967,60 124.967,60 127.967,60 130.967,60 133.967,60 139.967,60 142.967,60 145.967,60 148.967,60 169.967,60 172.967,60 190.967,60 208.967,60 211.967,60 214.967,60 217.967,60 220.967,60 223.967,60 219.816,62.106 220.87,62.094 221.924,62.094 222.976,62.162 218.841,62.506 223.736,62.892 3.467,63 120.467,63 123.467,63 126.467,63 129.467,63 132.467,63 138.467,63 141.467,63 144.467,63 147.467,63 150.467,63 207.467,63 213.467,63 216.467,63 218.003,63.146 217.179,63.803 223.812,63.943 216.546,64.646 223.602,64.976 219.535,65.469 222.696,65.515 220.588,65.525 221.642,65.526 216.237,65.654 1.967,66 4.967,66 118.967,66 121.967,66 124.967,66 127.967,66 130.967,66 133.967,66 139.967,66 142.967,66 145.967,66 193.967,66 205.967,66 208.967,66 211.967,66 214.967,66 223.967,66 218.64,66.025 216.208,66.707 218.64,67.079 216.208,67.761 218.64,68.133 216.208,68.815 3.467,69 120.467,69 123.467,69 126.467,69 129.467,69 132.467,69 138.467,69 141.467,69 144.467,69 186.467,69 192.467,69 195.467,69 198.467,69 201.467,69 204.467,69 207.467,69 213.467,69 218.64,69.187 216.208,69.869 218.64,70.241 216.208,70.923 218.64,71.295 121.287,71.346 120.108,71.569 122.446,71.659 216.208,71.977 1.967,72 4.967,72 124.967,72 127.967,72 130.967,72 133.967,72 139.967,72 142.967,72 145.967,72 148.967,72 190.967,72 205.967,72 208.967,72 211.967,72 214.967,72 223.967,72 119.144,72.284 218.648,72.349 123.361,72.436 216.304,73.027 219.144,73.279 118.579,73.342 123.849,73.532 216.667,74.016 219.889,74.025 118.31,74.511 123.813,74.731 220.634,74.77 217.294,74.864 3.467,75 126.467,75 129.467,75 132.467,75 138.467,75 141.467,75 144.467,75 147.467,75 150.467,75 204.467,75 207.467,75 213.467,75 222.467,75 117.461,75.36 221.288,75.597 218.037,75.611 123.262,75.797 116.613,76.209 218.782,76.357 122.309,76.526 221.697,76.568 121.133,76.768 115.775,77.068 219.367,77.234 120.178,77.493 221.829,77.614 1.967,78 4.967,78 121.967,78 124.967,78 127.967,78 130.967,78 133.967,78 139.967,78 142.967,78 145.967,78 148.967,78 160.967,78 163.967,78 166.967,78 208.967,78 211.967,78 214.967,78 115.379,78.201 119.329,78.342 115.379,79.401 118.809,79.423 219.138,80.363 115.379,80.601 118.809,80.623 222.267,80.681 3.467,81 120.467,81 123.467,81 126.467,81 129.467,81 132.467,81 201.467,81 207.467,81 213.467,81 216.467,81 164.592,81.153 218.804,81.362 222.392,81.727 115.379,81.801 118.809,81.823 219.084,82.378 221.913,82.666 115.379,83.001 118.809,83.023 219.887,83.061 220.992,83.179 165.608,83.312 1.967,84 4.967,84 121.967,84 124.967,84 127.967,84 139.967,84 142.967,84 145.967,84 148.967,84 160.967,84 202.967,84 208.967,84 211.967,84 214.967,84 115.379,84.201 118.809,84.223 115.379,85.401 118.809,85.423 115.319,86.599 118.809,86.623 3.467,87 120.467,87 126.467,87 132.467,87 135.467,87 138.467,87 141.467,87 144.467,87 147.467,87 153.467,87 165.467,87 177.467,87 198.467,87 201.467,87 204.467,87 210.467,87 213.467,87 216.467,87 219.467,87 222.467,87 114.47,87.448 118.705,87.819 113.622,88.296 1.967,90 124.967,90 127.967,90 139.967,90 145.967,90 154.967,90 169.967,90 175.967,90 199.967,90 202.967,90 205.967,90 208.967,90 211.967,90 214.967,90 217.967,90 220.967,90 223.967,90 116.29,90.478 111.076,90.842 23.479,90.932 24.679,90.932 25.879,90.932 27.079,90.932 30.679,90.932 31.879,90.932 33.079,90.932 34.279,90.932 35.479,90.932 39.079,90.932 40.279,90.932 41.479,90.932 42.679,90.932 46.279,90.932 47.479,90.932 48.679,90.932 49.879,90.932 51.079,90.932 52.279,90.932 54.679,90.932 55.879,90.932 57.079,90.932 58.279,90.932 61.879,90.932 63.079,90.932 64.279,90.932 65.479,90.932 66.679,90.932 67.879,90.932 70.279,90.932 71.479,90.932 77.479,90.932 78.679,90.932 79.879,90.932 81.079,90.932 82.279,90.932 83.479,90.932 85.879,90.932 87.079,90.932 90.679,90.932 91.879,90.932 93.079,90.932 94.279,90.932 95.479,90.932 96.679,90.932 97.879,90.932 99.079,90.932 100.279,90.932 102.679,90.932 103.879,90.932 107.479,90.932 108.679,90.932 109.879,90.932 115.442,91.326 114.593,92.175 20.342,92.296 3.467,93 6.467,93 15.467,93 18.467,93 117.467,93 120.467,93 123.467,93 135.467,93 138.467,93 156.467,93 162.467,93 171.467,93 174.467,93 177.467,93 198.467,93 201.467,93 204.467,93 207.467,93 210.467,93 213.467,93 216.467,93 219.467,93 222.467,93 113.745,93.023 19.493,93.144 18.991,94.234 23.811,94.361 27.411,94.361 34.312,94.361 35.512,94.361 39.112,94.361 42.712,94.361 50.517,94.361 51.717,94.361 55.317,94.361 58.917,94.361 65.938,94.361 67.138,94.361 70.738,94.361 74.338,94.361 82.164,94.361 83.364,94.361 86.964,94.361 90.564,94.361 97.586,94.361 98.786,94.361 99.986,94.361 103.586,94.361 107.186,94.361 75.139,95.254 43.491,95.274 111.067,95.307 31.333,95.412 18.978,95.434 59.315,95.493 90.963,95.493 27.667,95.534 107.505,95.518 22.409,95.961 7.967,96 10.967,96 13.967,96 34.967,96 37.967,96 52.967,96 67.967,96 82.967,96 97.967,96 100.967,96 115.967,96 124.967,96 127.967,96 130.967,96 133.967,96 136.967,96 145.967,96 157.967,96 163.967,96 169.967,96 172.967,96 175.967,96 199.967,96 202.967,96 205.967,96 208.967,96 211.967,96 220.967,96 223.967,96 75.241,96.45 43.601,96.469 59.514,96.677 91.162,96.676 107.717,96.699 27.887,96.713 15.752,96.76 114.176,96.813 34.437,96.972 66.107,97.01 97.756,97.01 22.095,97.119 50.368,97.212 82.025,97.233 75.957,97.413 44.323,97.428 60.302,97.582 91.95,97.581 28.683,97.611 108.51,97.6 15.407,97.909 114.471,97.976 21.271,97.991 34.606,98.16 66.243,98.202 97.891,98.202 45.172,98.276 76.805,98.262 50.349,98.412 61.15,98.43 81.989,98.433 92.798,98.43 29.531,98.46 109.358,98.448 20.422,98.839 15.906,99 113.933,99.048 46.032,99.113 77.664,99.1 33.948,99.164 65.563,99.19 97.21,99.19 62.033,99.243 93.681,99.242 30.422,99.264 110.246,99.256
  other v3: 173.489,24.642 216.294,29.799 217.394,29.799 218.494,29.799 216.294,30.899 217.394,30.899 218.494,30.899 216.294,31.999 217.394,31.999 218.494,31.999
  other v4: 147.574,65.151 188.341,65.405 195.58,66.802 198.882,66.802 191.897,66.929 181.61,67.056 185.039,67.056 221.615,67.945 188.341,68.58 147.574,68.834
I2C_SCL: D1.58 DD2.4 R6.1 | length 18.4
  Top Layer w0.25: D1.58@159.354,25.101 160.954,25.101 v1(161.417,24.638) R6.1@162.618,24.638 ; v1(162.306,37.211) 162.455,37.211 162.645,37.02 DD2.4@163.913,37.02
  Bottom Layer w0.25: v1(161.417,24.638) 161.417,24.787 161.082,25.122 161.082,36.114 162.179,37.211 v1(162.306,37.211)
I2C_SDA: D1.59 DD2.3 R7.1 | length 15.8
  Top Layer w0.25: D1.59@159.354,25.601 159.369,25.616 161.783,25.616 v1(161.807,25.64) ; v1@161.807,25.654 161.814,25.647 162.611,25.647 R7.1@162.618,25.654 ; v1(162.306,36.211) 162.455,36.211 162.629,36.386 DD2.3@163.913,36.386
  Bottom Layer w0.25: v1(161.807,25.64) 161.798,25.649 161.798,35.623 162.306,36.131 v1(162.306,36.211)
IN_5V: L1.1 XP3.2 XP4.2 | length 33.5
  Top Layer w0.25: L1.1@173.808,14.351 180.001,14.351 ; XP4.2@180.001,19.652 180.001,14.351 ; XP3.2@198.055,19.652 198.055,20.487 197.783,20.758 194.09,20.758 187.217,13.885 180.467,13.885 180.001,14.351
NetC1_2: C1.2 C4.2 DA1.1 DA1.3 L1.2 | length 9.9
  Top Layer w0.4: DA1.3@165.952,18.109 165.852,18.009 165.08,18.009 164.846,17.775 164.846,16.49 165.027,16.309 165.852,16.309 DA1.1@165.952,16.209 166,16.257 167.72,16.257 C4.2@167.767,16.304 C1.2@167.767,14.339 170.096,14.339 L1.2@170.108,14.351
NetC9_2: C9.2 C10.2 C11.2 DA2.13 DA2.15 DA2.16 L35.2 | length 22.9
  Top Layer w0.25: L35.2@217.805,26.488 219.782,26.488 220.71,27.416 220.71,30.846 ; DA2.16@218.694,33.274 218.694,33.782 218.832,33.92 218.832,34.222 C11.2@219.027,34.417 ; C9.2@219.486,37.211 219.486,35.752 C10.2@219.294,35.56 219.027,35.293 C11.2@219.027,34.417 ; DA2.13@219.769,30.899 220.544,30.899 220.597,30.846 220.71,30.846 ; DA2.15@219.769,32.199 220.345,32.199 ; C11.2@219.027,34.417 219.71,34.417 220.345,33.782 220.345,32.199 ; 220.345,32.199 221.779,32.199 221.801,32.221 223.235,32.221 223.61,31.846 223.61,31.146 223.235,30.771 222.01,30.771 221.935,30.846 220.71,30.846
NetC12_2: C12.2 DD1.1 DD1.3 DD1.14 L3.2 R9.2 | length 12.6
  Top Layer w0.2: v1@171.076,24.209 171.401,24.534 DD1.3@171.869,24.534 ; 171.577,26.416 171.577,25.452 171.694,25.334 DD1.1@172.094,25.334 ; C12.2@172.14,26.376 172.14,25.702 172.257,25.584 174.458,25.584 174.634,25.409 174.634,25.334 175.314,25.334 175.556,25.576 175.877,25.576 R9.2@176.029,25.727
  Top Layer w0.25: v1(169.779,25.039) 169.884,25.144 170.178,25.144 170.786,25.752 170.786,26.088 170.811,26.113 L3.2@171.147,26.113 ; L3.2@170.951,26.383 171.097,26.529 172.001,26.529 C12.2@172.147,26.383 ; v1(171,24.209) v1@171.076,24.209 ; R9.2@175.8,25.552 175.854,25.552 R9.2@176.029,25.727
  Bottom Layer w0.25: v1(169.779,25.039) 169.884,24.934 170.276,24.934 v1(171,24.209)
NetC13_2: C13.2 D1.53 R10.2 | length 13.2
  Top Layer w0.25: D1.53@159.354,22.601 160.882,22.601 161.141,22.86 v1(161.29,22.86) ; v1(162.179,20.828) 162.284,20.723 162.882,20.723 163.079,20.526 C13.2@169.545,20.526 169.553,20.534 170.695,20.534 R10.2@170.702,20.541
  Bottom Layer w0.25: v1(161.29,22.86) 161.29,21.535 161.79,21.035 161.823,21.035 162.03,20.828 v1(162.179,20.828)
NetC14_2: C14.2 D1.13 L4.1 | length 3.3
  Top Layer w0.3: D1.13@151.434,30.021 151.434,31.324 151.954,31.844 151.933,31.865 151.933,33.093 L4.1@151.911,33.114
NetC21_1: C21.1 C23.2 L5.2 R15.1 R16.1 | length 18.1
  Top Layer w0.5: C23.2@159.133,89.535 159.133,87.556 159.73,86.959 ; C21.1@160.669,92.696 160.669,91.996 161.119,91.546 162.327,91.546 163.397,90.476 R15.1@163.397,88.138 163.397,87.913 162.124,86.64 R16.1@162.124,85.598
  Top Layer w2: L5.2@158.256,86.909 158.306,86.959 159.73,86.959 161.163,88.392 163.143,88.392 R15.1@163.397,88.138
NetC22_1: C22.1 C24.2 L6.1 R15.2 R17.1 R27.2 | length 113
  Top Layer w0.5: v1(137.033,82.804) 137.033,94.107 140.208,97.282 153.924,97.282 156.253,94.953 162.826,94.953 165.083,92.696 C22.1@168.035,92.696 168.035,88.326 R15.2@167.847,88.138 ; v2(138.028,50.567) 141.927,50.567 142.033,50.673 145.796,50.673 151.398,45.071 R27.2@151.398,43.851 ; R15.2@167.847,87.913 169.051,86.709 R17.1@169.051,85.598 ; C24.2@172.734,91.198 172.734,87.834 172.847,87.721
  Top Layer w2: R15.2@167.847,88.138 167.974,88.265 170.561,88.265 171.105,87.721 172.847,87.721 174.081,87.721 L6.1@174.131,87.671
  Bottom Layer w0.5: v1(137.033,82.804) 137.033,82.723 137.33,82.426 137.33,80.925 136.967,80.562 136.967,51.628 v2(138.028,50.567)
NetC25_1: C25.1 DA3.5 R17.2 | length 9.1
  Top Layer w0.3: DA3.5@164.972,84.337 164.972,85.281 C25.1@165.162,85.471
  Top Layer w0.5: v1(164.211,85.471) C25.1@165.162,85.471 ; v1(167.603,84.478) 167.603,84.602 168.101,85.1 168.101,85.548 R17.2@168.151,85.598
  Bottom Layer w0.5: v1(164.211,85.471) 165.883,85.471 166.658,86.246 167.352,86.246 167.855,85.743 167.855,84.812 167.603,84.56 v1(167.603,84.478)
NetC25_2: C25.2 DA3.4 R16.2 | length 7.5
  Top Layer w0.3: C25.2@166.082,85.471 166.272,85.281 DA3.4@166.272,84.337
  Top Layer w0.5: R16.2@163.024,85.598 163.074,85.548 163.074,84.784 163.322,84.536 v1(163.322,84.455) ; C25.2@166.082,85.471 166.122,85.431 166.965,85.431 v1(167.005,85.391)
  Bottom Layer w0.5: v1(163.322,84.455) 166.069,84.455 v1(167.005,85.391)
NetC27_1: C27.1 R19.1 | length 2.1
  Top Layer w0.5: C27.1@198.515,56.104 cw(c198.467,56.056) 198.535,56.056 R19.1@198.535,53.975
NetC27_2: C27.2 C29.1 R20.2 VT1.1 | length 8.1
  Top Layer w0.5: VT1.1@193.795,60.482 cw(c194.029,60.247) 194.029,60.579 C29.1@198.146,60.579 ; R20.2@198.148,62.357 198.148,60.581 C29.1@198.146,60.579 ; C27.2@198.515,58.704 cw(c199.406,59.595) 198.146,59.595 C29.1@198.146,60.579